# Altium PCB spin5v1_simple.PcbDoc (part 7 of 25)
Units mm, origin at the board's own origin, x right, y up, seen from the top; angles counter-clockwise.
Board outline 220.03 x 233.43 mm, 2 copper layers (TOP, BOTTOM), stack 0.176 mm thick; 1457 components, 4724 nets, 19245 pads, 25289 vias.
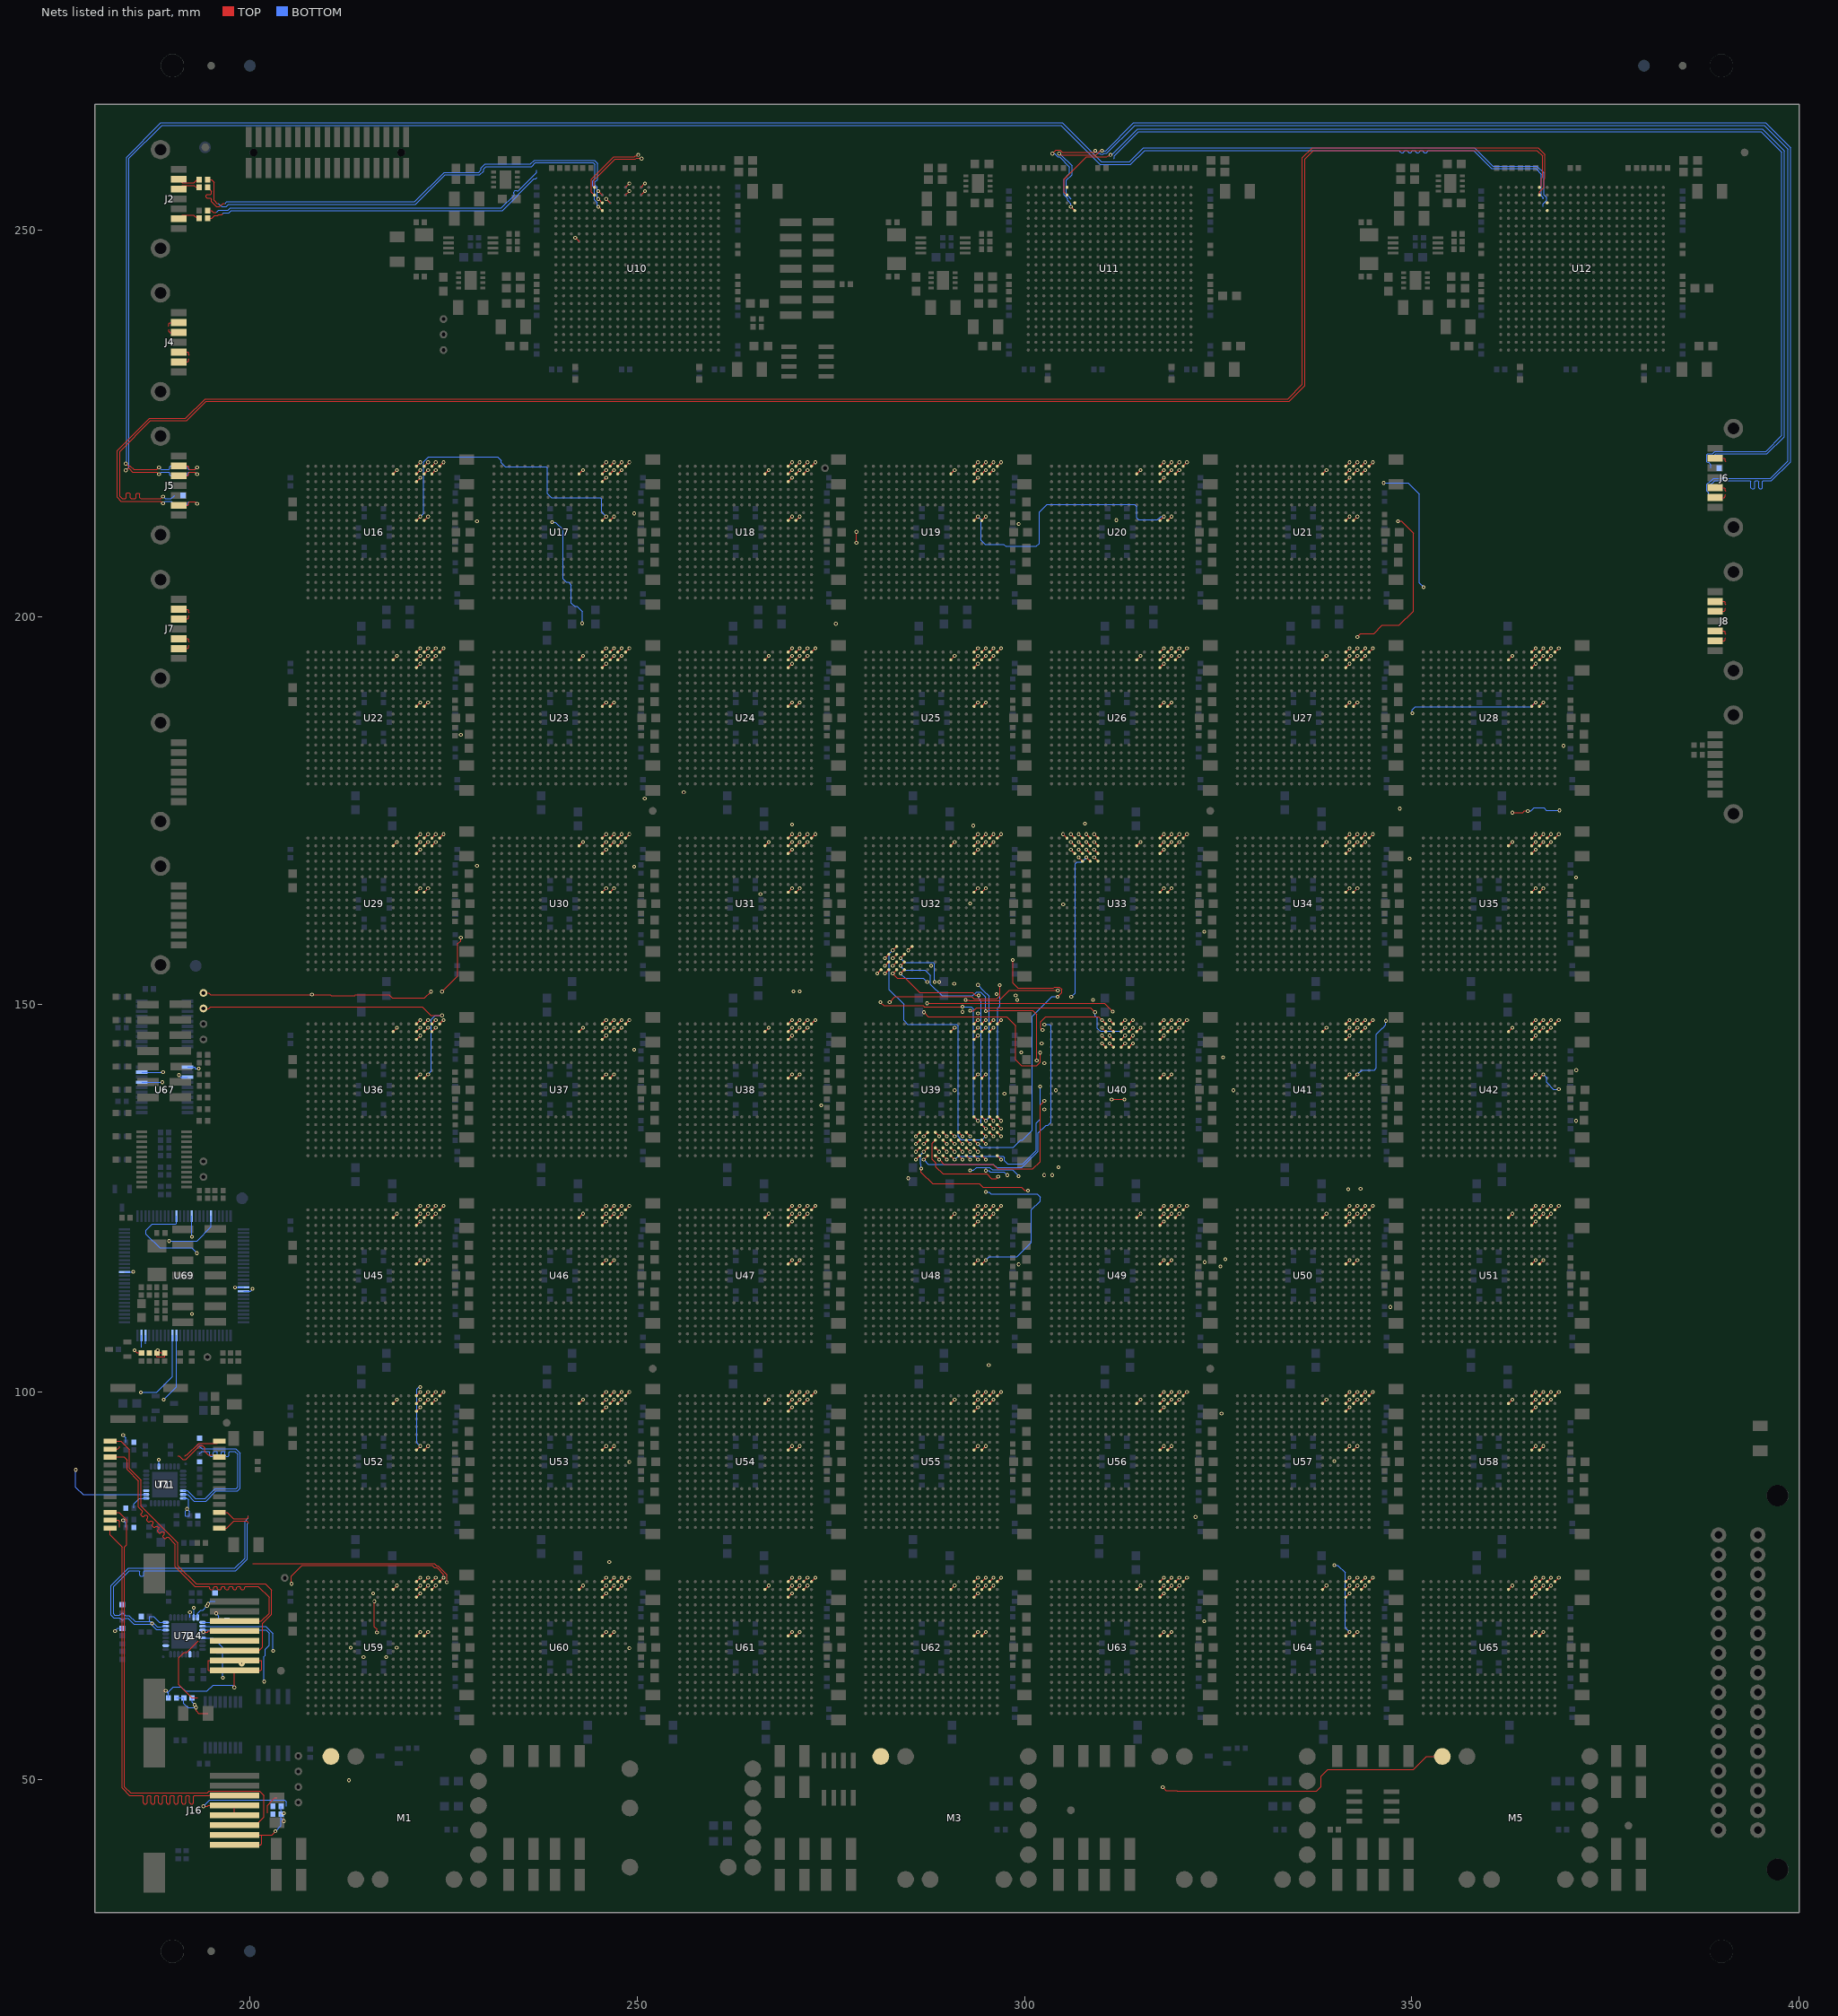
[diagram p7: the nets of this part, all layers, seen from the top]

## Via types
v1: diameter 0.48, hole 0.25, TOP to BOTTOM, 22348 vias
v2: diameter 0.61, hole 0.3, TOP to BOTTOM, 2059 vias
v3: diameter 0.8, hole 0, TOP to BOTTOM, 882 vias

## Nets (pads, with @x,y where several pads share a name; then routed paths per layer and width w, separated by ;. In a path a pad name is that pad's centre, name@x,y a point inside that pad or via, vN(x,y) a via of type N, cw(c..) or ccw(c..) an arc to the next point about the centre after c; other vN are vias at no path point) (continued)
PHYRST: U69.14 U71.19
  other v1: 188.25,91.238 184.917,115.5
PHYRST_49: U63.B12
  other v1: 315,75
PHYRST_50: U62.B12
  other v1: 291,75
PHYRST_51: U61.B12
  other v1: 267,75
PHYRST_52: U60.B12
  other v1: 243,75
PHYRST_53: U28.B12
  other v1: 363,195
PHYRST_54: U21.B12
  other v1: 339,219
PHYRST_55: U19.B12
  other v1: 291,219
PHYRST_56: U18.B12
  other v1: 267,219
PHYRST_57: U17.B12
  other v1: 243,219
PHYRST_58: U25.B12
  other v1: 291,195
PHYRST_59: U20.B12
  other v1: 315,219
PHYRST_60: U27.B12
  other v1: 339,195
PHYRST_61: U35.B12
  other v1: 363,171
PHYRST_62: U42.B12
  other v1: 363,147
PHYRST_63: U34.B12
  other v1: 339,171
PHYRST_64: U26.B12
  other v1: 315,195
PHYRST_65: U24.B12
  other v1: 267,195
PHYRST_66: U23.B12
  other v1: 243,195
PHYRST_67: U16.B12
  other v1: 219,219
PHYRST_68: U51.B12
  other v1: 363,123
PHYRST_69: U41.B12
  other v1: 339,147
PHYRST_70: U33.B12
  other v1: 315,171
PHYRST_71: U32.B12
  other v1: 291,171
PHYRST_72: U31.B12
  other v1: 267,171
PHYRST_73: U30.B12
  other v1: 243,171
PHYRST_74: U22.B12
  other v1: 219,195
PHYRST_75: U58.B12
  other v1: 363,99
PHYRST_76: U50.B12
  other v1: 339,123
PHYRST_77: U40.B12
  other v1: 315,147
PHYRST_78: U39.B12
  other v1: 291,147
PHYRST_79: U38.B12
  other v1: 267,147
PHYRST_80: U37.B12
  other v1: 243,147
PHYRST_81: U36.B12
  other v1: 219,147
PHYRST_82: U29.B12
  other v1: 219,171
PHYRST_83: U65.B12
  other v1: 363,75
PHYRST_84: U57.B12
  other v1: 339,99
PHYRST_85: U49.B12
  other v1: 315,123
PHYRST_86: U48.B12
  other v1: 291,123
PHYRST_87: U47.B12
  other v1: 267,123
PHYRST_88: U46.B12
  other v1: 243,123
PHYRST_89: U45.B12
  other v1: 219,123
PHYRST_90: U64.B12
  other v1: 339,75
PHYRST_91: U56.B12
  other v1: 315,99
PHYRST_92: U55.B12
  other v1: 291,99
PHYRST_93: U54.B12
  other v1: 267,99
PHYRST_94: U53.B12
  other v1: 243,99
PHYRST_95: U52.B12
  other v1: 219,99
PHYRST_96: U59.B12 U72.19
  other v1: 213,66.965 219,75
POR: TP5.1 U16.H15 U17.H15 U18.H15 U19.H15 U20.H15 U21.H15 U22.H15 U23.H15 U24.H15 U25.H15 U26.H15 U27.H15 U28.H15 U29.H15 U30.H15 U31.H15 U32.H15 U33.H15 U34.H15 U35.H15 U36.H15 U37.H15 U38.H15 U39.H15 U40.H15 U41.H15 U42.H15 U45.H15 U46.H15 U47.H15 U48.H15 U49.H15 U50.H15 U51.H15 U52.H15 U53.H15 U54.H15 U55.H15 U56.H15 U57.H15 U58.H15 U59.H15 U60.H15 U61.H15 U62.H15 U63.H15 U64.H15 U65.H15 U67.9 | length 153
  TOP w0.127: TP5.1@194,151.5 194.691,151.5 194.899,151.292 v1(208,151.292) 210.368,151.292 210.495,151.165 213.562,151.165 213.64,151.243 217.951,151.243 218.359,150.835 222.569,150.835 v1(223.4,151.666)
  BOTTOM w0.127: v1(221.999,100.607) 221.809,100.607 221.569,100.367 221.569,93.431 v1(222,93) ; v1(222,213) 222.431,213.431 222.431,220.05 223.066,220.685 231.986,220.685 232.431,220.24 232.431,219.939 232.939,219.431 238.232,219.431 238.431,219.232 238.431,215.939 238.939,215.431 245.232,215.431 245.431,215.232 245.431,213.569 v1(246,213) ; v1(294,213) 294.431,212.569 294.431,209.94 294.939,209.432 297.291,209.432 297.57,209.153 301.515,209.153 301.912,209.55 301.912,213.55 302.928,214.566 314.19,214.566 314.508,214.248 314.508,212.823 314.762,212.569 317.178,212.569 317.609,213 v1(318,213) ; v1(340,77.631) 340.478,77.631 341.431,76.678 341.431,69.569 v1(342,69) ; v1(346.371,217.339) 349.528,217.339 350.989,215.878 350.989,204.448 v1(351.542,203.895) ; v1(350.089,187.6) 350.089,188.034 350.486,188.431 365.431,188.431 v1(366,189)
  other v1: 249,66.931 222,69 246,69 270,69 294,69 318,69 366,69 323.233,70.393 322.1,83.865 249,90.965 340,91.069 246,93 270,93 294,93 318,93 342,93 366,93 325.315,116.2 299.267,116.462 323.267,116.747 222,117 246,117 270,117 294,117 318,117 342,117 366,117 341.8,126.158 371.227,135 222,141 246,141 270,141 294,141 318,141 342,141 366,141 188.782,141.27 325.665,143.2 299.578,143.842 249.607,144.164 299.062,150.589 270.166,151.704 323.227,159.4 265.912,164.258 222,165 246,165 270,165 294,165 318,165 342,165 366,165 249.607,167.8 349.75,168.862 256.02,177.393 222,189 246,189 270,189 294,189 318,189 342,189 270,213 342,213 249.607,213.4
POR_U: U67.11 U69.67
  other v1: 200.317,113.307 193.389,141.727
PS_V33: R25.2 R26.1 U69.99
  other v1: 185.092,105.371
PS_VPWR: R27.1 R28.2 U69.98 | length 2.1
  TOP w0.127: R27.1@188,105.03 188,104.504 189,104.504 R28.2@189,105.03
  other v1: 188.092,105.371
PSYNC<0>: M1.1 U69.36
  other v1: 193.164,117.902
PSYNC<1>: M3.1 U69.40
  other v1: 192.5,110.067 192.5,120.017
PSYNC<2>: M5.1 U69.45 | length 38.9
  TOP w0.127: v1(317.862,48.98) 318.293,48.549 319.641,48.549 319.691,48.499 337.731,48.499 338.296,49.064 338.296,50.364 339.194,51.262 350.244,51.262 351.922,52.94 M5.1@353.965,52.94
  other v1: 212.8,49.867 189.582,119.471
RBIAS: R157.1 U71.32 | length 3.5
  BOTTOM w0.127: U71.32@191.375,86.25 191.933,86.25 192.06,86.123 192.06,84.988 191.694,84.622 191.694,84 192.22,84
  other v1: 191.879,84.908
RBIAS_2: R170.1 U72.32 | length 2.4
  BOTTOM w0.127: 187.03,71 187.582,71 188.332,70.25 U72.32@189.125,70.25
  other v1: 187.371,70.092
RJ451_DECOUP: R35.2 R36.2 | length 2.6
  TOP w0.127: 202.268,45.637 202.268,46.643 203.225,47.6 203.5,47.6
RJ451_SHORT1: J16.7 J16.8 R36.1 | length 4.5
  TOP w0.127: 201.542,42.82 202.851,42.82 v1(203.302,43.271)
  BOTTOM w0.127: v1(203.302,43.271) 204.03,43.999 204.03,45.5
  other v1: 204.371,44.592
RJ451_SHORT2: J16.4 J16.5 R35.1 | length 13
  TOP w0.127: J16.5@198,45.36 J16.4@198,46.63
  BOTTOM w0.127: v1(193.997,46.5) 194.81,47.313 204.489,47.313 204.732,47.07 204.732,46.5
  other v1: 204.371,45.592
RJ452_DECOUP: R184.2 R185.2 | length 5.6
  TOP w0.127: v1(193.046,59.252) 193.046,58.821 193.367,58.5 194.6,58.5
  BOTTOM w0.127: 190.53,60.5 191.47,60.5 191.47,59.781 191.999,59.252 v1(193.046,59.252)
RJ452_SHORT1: J14.7 J14.8 R185.1 | length 20.4
  TOP w0.127: v1(197.99,61.858) 197.99,64.04 J14.8@198,64.05 194.634,64.05 194.634,65.32 J14.7@198,65.32
  BOTTOM w0.127: 189.47,60.5 189.47,61.282 190.106,61.918 191.115,61.918 191.663,61.37 194.459,61.37 195.252,62.163 197.685,62.163 v1(197.99,61.858)
  other v1: 189.129,61.408
  other v3: 198.962,64.93
RJ452_SHORT2: J14.4 J14.5 R184.1 | length 10
  TOP w0.127: 193.232,60.5 192.504,60.5 190.819,62.185 190.819,65.648 191.518,66.347 191.865,66.347 193.378,67.86
  other v1: 192.871,59.592 193.997,69
RMII: R156.2 U71.9 | length 2.4
  BOTTOM w0.127: 185.03,85 185.03,85.551 185.729,86.25 U71.9@186.625,86.25
RST: TP6.1 U16.H16 U17.H16 U18.H16 U19.H16 U20.H16 U21.H16 U22.H16 U23.H16 U24.H16 U25.H16 U26.H16 U27.H16 U28.H16 U29.H16 U30.H16 U31.H16 U32.H16 U33.H16 U34.H16 U35.H16 U36.H16 U37.H16 U38.H16 U39.H16 U40.H16 U41.H16 U42.H16 U45.H16 U46.H16 U47.H16 U48.H16 U49.H16 U50.H16 U51.H16 U52.H16 U53.H16 U54.H16 U55.H16 U56.H16 U57.H16 U58.H16 U59.H16 U60.H16 U61.H16 U62.H16 U63.H16 U64.H16 U65.H16 U67.7 | length 125.7
  TOP w0.127: TP6.1@194,149.5 194.691,149.5 194.914,149.723 222.266,149.723 223.382,148.607 v1(224.801,148.607) ; v1(224.8,151.666) 226.858,153.724 226.858,157.854 227.227,158.223 v1(227.227,158.654) ; v1(278.315,209.6) v1(278.315,211.031) ; v1(343,197.467) 343.431,197.898 345.133,197.898 346.195,198.96 348.37,198.96 350.212,200.802 350.212,210.876 348.688,212.4 v1(348.232,212.4) ; v1(362.996,174.774) 364.35,174.774 364.569,174.993 v1(365,174.993)
  BOTTOM w0.127: v1(223,141) 223.432,141.432 223.432,148.099 223.94,148.607 v1(224.801,148.607) ; v1(239,212.258) 239.479,212.258 240.432,211.305 240.432,204.927 240.829,204.53 241.108,204.53 241.505,204.133 241.505,201.848 241.95,201.403 242.218,201.403 242.917,200.704 v1(242.917,199.212) ; v1(295,117) 295.431,117.431 299.054,117.431 300.896,119.273 300.896,123.519 302.028,124.651 302.028,125.166 301.647,125.547 295.687,125.547 295.431,125.803 v1(295,125.803) ; v1(343,141) 343.562,141.562 345.178,141.562 345.432,141.816 345.432,146.167 346.226,146.961 346.272,146.961 346.669,147.358 v1(346.669,147.9) ; v1(365,174.993) 365.431,174.993 365.826,175.388 367.075,175.388 367.387,175.076 v1(369.1,175.076) ; v1(367,141) 367.431,140.569 367.431,139.958 368.32,139.069 v1(369.001,139.069)
  other v1: 223,69 247,69 271,69 295,69 319,69 343,69 367,69 246.4,78.055 223,93 247,93 271,93 295,93 319,93 343,93 367,93 325.457,97.201 295.4,103.446 347.255,110.958 223,117 247,117 271,117 319,117 343,117 367,117 325.946,117.147 343.4,126.221 273.763,137 327,138.932 188.714,139.97 247,141 271,141 295,141 319,141 371.252,141.532 271,151.704 223,165 247,165 271,165 295,165 319,165 343,165 367,165 371.237,166.423 229.327,167.921 270,173.232 348.465,175.301 250.982,176.593 369.607,183.4 227.237,184.835 223,189 247,189 271,189 295,189 319,189 343,189 367,189 275.656,199.158 299.267,212.038 229.315,212.4 311.869,212.535 223,213 247,213 271,213 295,213 319,213 343,213
RST_U: U67.13 U69.66
  other v1: 198.083,113.5 190.833,140.907
RTCK: U63.B17
  other v1: 320,75
RTCK_48: U62.B17
  other v1: 296,75
RTCK_49: U61.B17
  other v1: 272,75
RTCK_50: U60.B17
  other v1: 248,75
RTCK_51: U28.B17
  other v1: 368,195
RTCK_52: U21.B17
  other v1: 344,219
RTCK_53: U19.B17
  other v1: 296,219
RTCK_54: U18.B17
  other v1: 272,219
RTCK_55: U17.B17
  other v1: 248,219
RTCK_56: U25.B17
  other v1: 296,195
RTCK_57: U20.B17
  other v1: 320,219
RTCK_58: U27.B17
  other v1: 344,195
RTCK_59: U35.B17
  other v1: 368,171
RTCK_60: U42.B17
  other v1: 368,147
RTCK_61: U34.B17
  other v1: 344,171
RTCK_62: U26.B17
  other v1: 320,195
RTCK_63: U24.B17
  other v1: 272,195
RTCK_64: U23.B17
  other v1: 248,195
RTCK_65: U16.B17
  other v1: 224,219
RTCK_66: U51.B17
  other v1: 368,123
RTCK_67: U41.B17
  other v1: 344,147
RTCK_68: U33.B17
  other v1: 320,171
RTCK_69: U32.B17
  other v1: 296,171
RTCK_70: U31.B17
  other v1: 272,171
RTCK_71: U30.B17
  other v1: 248,171
RTCK_72: U22.B17
  other v1: 224,195
RTCK_73: U58.B17
  other v1: 368,99
RTCK_74: U50.B17
  other v1: 344,123
RTCK_75: U40.B17
  other v1: 320,147
RTCK_76: U39.B17
  other v1: 296,147
RTCK_77: U38.B17
  other v1: 272,147
RTCK_78: U37.B17
  other v1: 248,147
RTCK_79: U36.B17
  other v1: 224,147
RTCK_80: U29.B17
  other v1: 224,171
RTCK_81: U65.B17
  other v1: 368,75
RTCK_82: U57.B17
  other v1: 344,99
RTCK_83: U49.B17
  other v1: 320,123
RTCK_84: U48.B17
  other v1: 296,123
RTCK_85: U47.B17
  other v1: 272,123
RTCK_86: U46.B17
  other v1: 248,123
RTCK_87: U45.B17
  other v1: 224,123
RTCK_88: U64.B17
  other v1: 344,75
RTCK_89: U56.B17
  other v1: 320,99
RTCK_90: U55.B17
  other v1: 296,99
RTCK_91: U54.B17
  other v1: 272,99
RTCK_92: U53.B17
  other v1: 248,99
RTCK_93: U52.B17
  other v1: 224,99
RTCK_94: U59.B17
  other v1: 224,75
RX1_MINUS: J16.6 T1.22 | length 62.8
  TOP w0.125: T1.22@181.95,84.45 183.083,84.45 184.084,83.449 184.084,80.259 183.825,80 183.825,48.992 184.592,48.225 194.502,48.225 194.747,48.47 201.253,48.47 201.838,47.885 201.838,45.133 200.795,44.09 J16.6@198,44.09
RX1_PLUS: J16.3 T1.24 | length 62.4
  TOP w0.125: T1.24@181.95,82.41 181.95,81.55 183.5,80 183.5,48.857 184.457,47.9 186.101,47.9 186.226,47.775 186.226,46.944 186.351,46.819 186.601,46.819 186.726,46.944 186.726,47.775 186.851,47.9 187.101,47.9 187.226,47.775 187.226,46.944 187.351,46.819 187.601,46.819 187.726,46.944 187.726,47.775 187.851,47.9 188.101,47.9 188.226,47.775 188.226,46.944 188.351,46.819 188.601,46.819 188.726,46.944 188.726,47.775 188.851,47.9 189.101,47.9 189.226,47.775 189.226,46.944 189.351,46.819 189.601,46.819 189.726,46.944 189.726,47.775 189.851,47.9 190.101,47.9 190.226,47.775 190.226,46.944 190.351,46.819 190.601,46.819 190.726,46.944 190.726,47.775 190.851,47.9 191.101,47.9 191.226,47.775 191.226,46.944 191.351,46.819 191.601,46.819 191.726,46.944 191.726,47.775 191.851,47.9 192.101,47.9 192.226,47.775 192.226,46.944 192.351,46.819 192.601,46.819 192.726,46.944 192.726,47.775 192.851,47.9 194.77,47.9 195.015,48.145 197.755,48.145 J16.3@198,47.9
RX2_MINUS: J14.6 T1.13 | length 73.1
  TOP w0.062: T1.13@181.95,93.63 183.358,93.63 184.446,92.542 184.446,91.536 ; 184.446,90.106 185.927,88.625 ; 185.927,85.245 190.685,80.487 ; 190.685,77.567 193.047,75.205 ; 194.999,75.205 195.099,75.205 ; 195.999,75.205 196.099,75.205 ; 196.999,75.205 197.099,75.205 ; 197.999,75.205 198.099,75.205 ; J14.6@198,66.59 201.152,66.59 201.646,67.084 201.646,70.075 201.646,70.127 202.805,71.286 ; 198.999,75.205 199.099,75.205 ; 201.408,75.205 202.005,75.205 202.805,74.405 202.805,73.808
  TOP w0.125: T1.13@181.95,93.63 183.358,93.63 184.446,92.542 184.446,90.106 185.927,88.625 185.927,85.245 190.685,80.487 190.685,77.567 193.047,75.205 202.005,75.205 202.805,74.405 202.805,71.286 201.646,70.127 201.646,67.084 201.152,66.59 J14.6@198,66.59
RX2_PLUS: J14.3 T1.15 | length 76.3
  TOP w0.062: T1.15@181.95,91.59 183.742,91.59 184.121,91.211 ; 184.121,89.971 185.602,88.49 ; 185.602,85.11 186.111,84.601 186.111,84.425 185.963,84.277 185.963,84.101 186.141,83.923 186.317,83.923 186.465,84.071 186.641,84.071 186.819,83.893 186.819,83.717 186.671,83.569 186.671,83.393 186.849,83.215 187.025,83.215 187.173,83.363 187.349,83.363 187.527,83.185 187.527,83.009 187.379,82.861 187.379,82.685 187.557,82.507 187.733,82.507 187.881,82.655 188.057,82.655 188.235,82.477 188.235,82.301 188.087,82.153 188.087,81.977 188.265,81.799 188.441,81.799 188.589,81.947 188.765,81.947 188.943,81.769 188.943,81.593 188.795,81.445 188.795,81.269 188.973,81.091 189.149,81.091 189.297,81.239 189.473,81.239 190.36,80.352 ; 190.36,77.432 192.912,74.88 ; 194.674,74.88 194.799,74.755 194.799,74.598 194.924,74.473 195.174,74.473 195.299,74.598 195.299,74.755 195.424,74.88 ; 195.674,74.88 195.799,74.755 195.799,74.598 195.924,74.473 196.174,74.473 196.299,74.598 196.299,74.755 196.424,74.88 ; 196.674,74.88 196.799,74.755 196.799,74.598 196.924,74.473 197.174,74.473 197.299,74.598 197.299,74.755 197.424,74.88 ; 197.674,74.88 197.799,74.755 197.799,74.598 197.924,74.473 198.174,74.473 198.299,74.598 198.299,74.755 198.424,74.88 ; J14.3@198,70.4 201.321,70.4 201.459,70.4 202.48,71.421 ; 198.674,74.88 198.799,74.755 198.799,74.598 198.924,74.473 199.174,74.473 199.299,74.598 199.299,74.755 199.424,74.88 ; 201.083,74.88 202.48,73.483
  TOP w0.125: T1.15@181.95,91.59 183.742,91.59 184.121,91.211 184.121,89.971 185.602,88.49 185.602,85.11 186.111,84.601 186.111,84.425 185.963,84.277 185.963,84.101 186.141,83.923 186.317,83.923 186.465,84.071 186.641,84.071 186.819,83.893 186.819,83.717 186.671,83.569 186.671,83.393 186.849,83.215 187.025,83.215 187.173,83.363 187.349,83.363 187.527,83.185 187.527,83.009 187.379,82.861 187.379,82.685 187.557,82.507 187.733,82.507 187.881,82.655 188.057,82.655 188.235,82.477 188.235,82.301 188.087,82.153 188.087,81.977 188.265,81.799 188.441,81.799 188.589,81.947 188.765,81.947 188.943,81.769 188.943,81.593 188.795,81.445 188.795,81.269 188.973,81.091 189.149,81.091 189.297,81.239 189.473,81.239 190.36,80.352 190.36,77.432 192.912,74.88 194.674,74.88 194.799,74.755 194.799,74.598 194.924,74.473 195.174,74.473 195.299,74.598 195.299,74.755 195.424,74.88 195.674,74.88 195.799,74.755 195.799,74.598 195.924,74.473 196.174,74.473 196.299,74.598 196.299,74.755 196.424,74.88 196.674,74.88 196.799,74.755 196.799,74.598 196.924,74.473 197.174,74.473 197.299,74.598 197.299,74.755 197.424,74.88 197.674,74.88 197.799,74.755 197.799,74.598 197.924,74.473 198.174,74.473 198.299,74.598 198.299,74.755 198.424,74.88 198.674,74.88 198.799,74.755 198.799,74.598 198.924,74.473 199.174,74.473 199.299,74.598 199.299,74.755 199.424,74.88 201.083,74.88 202.48,73.483 202.48,71.421 201.459,70.4 J14.3@198,70.4
RXCLK: U63.A18
  other v1: 321,76
RXCLK_48: U62.A18
  other v1: 297,76
RXCLK_49: U61.A18
  other v1: 273,76
RXCLK_50: U60.A18
  other v1: 249,76
RXCLK_51: U28.A18
  other v1: 369,196
RXCLK_52: U21.A18
  other v1: 345,220
RXCLK_53: U19.A18
  other v1: 297,220
RXCLK_54: U18.A18
  other v1: 273,220
RXCLK_55: U17.A18
  other v1: 249,220
RXCLK_56: U25.A18
  other v1: 297,196
RXCLK_57: U20.A18
  other v1: 321,220
RXCLK_58: U27.A18
  other v1: 345,196
RXCLK_59: U35.A18
  other v1: 369,172
RXCLK_60: U42.A18
  other v1: 369,148
RXCLK_61: U34.A18
  other v1: 345,172
RXCLK_62: U26.A18
  other v1: 321,196
RXCLK_63: U24.A18
  other v1: 273,196
RXCLK_64: U23.A18
  other v1: 249,196
RXCLK_65: U16.A18
  other v1: 225,220
RXCLK_66: U51.A18
  other v1: 369,124
RXCLK_67: U41.A18
  other v1: 345,148
RXCLK_68: U33.A18
  other v1: 321,172
RXCLK_69: U32.A18
  other v1: 297,172
RXCLK_70: U31.A18
  other v1: 273,172
RXCLK_71: U30.A18
  other v1: 249,172
RXCLK_72: U22.A18
  other v1: 225,196
RXCLK_73: U58.A18
  other v1: 369,100
RXCLK_74: U50.A18
  other v1: 345,124
RXCLK_75: U40.A18
  other v1: 321,148
RXCLK_76: U39.A18
  other v1: 297,148
RXCLK_77: U38.A18
  other v1: 273,148
RXCLK_78: U37.A18
  other v1: 249,148
RXCLK_79: U36.A18
  other v1: 225,148
RXCLK_80: U29.A18
  other v1: 225,172
RXCLK_81: U65.A18
  other v1: 369,76
RXCLK_82: U57.A18
  other v1: 345,100
RXCLK_83: U49.A18
  other v1: 321,124
RXCLK_84: U48.A18
  other v1: 297,124
RXCLK_85: U47.A18
  other v1: 273,124
RXCLK_86: U46.A18
  other v1: 249,124
RXCLK_87: U45.A18
  other v1: 225,124
RXCLK_88: U64.A18
  other v1: 345,76
RXCLK_89: U56.A18
  other v1: 321,100
RXCLK_90: U55.A18
  other v1: 297,100
RXCLK_91: U54.A18
  other v1: 273,100
RXCLK_92: U53.A18
  other v1: 249,100
RXCLK_93: U52.A18
  other v1: 225,100
RXCLK_94: U59.A18 U72.7 | length 22.1
  TOP w0.127: v1(205.362,75.235) 205.362,76.192 206.759,77.589 223.536,77.589 223.833,77.292 224.174,77.292 225,76.466 v1(225,76)
  other v1: 192.25,71.546
RXCT1: R159.1 T1.23
  other v1: 183.629,83.408
RXCT2: R141.1 T1.14
  other v1: 183.629,94.408
RXD0: U69.91 U71.11
  other v1: 185.917,99.941
RXD1: U69.90 U71.10
  other v1: 177.503,89.935 188.849,98.991
RXD<0>: U63.A17
  other v1: 320,76
RXD<0>_48: U62.A17
  other v1: 296,76
RXD<0>_49: U61.A17
  other v1: 272,76
RXD<0>_50: U60.A17
  other v1: 248,76
RXD<0>_51: U28.A17
  other v1: 368,196
RXD<0>_52: U21.A17
  other v1: 344,220
RXD<0>_53: U19.A17
  other v1: 296,220
RXD<0>_54: U18.A17
  other v1: 272,220
RXD<0>_55: U17.A17
  other v1: 248,220
RXD<0>_56: U25.A17
  other v1: 296,196
RXD<0>_57: U20.A17
  other v1: 320,220
RXD<0>_58: U27.A17
  other v1: 344,196
RXD<0>_59: U35.A17
  other v1: 368,172
RXD<0>_60: U42.A17
  other v1: 368,148
RXD<0>_61: U34.A17
  other v1: 344,172
RXD<0>_62: U26.A17
  other v1: 320,196
RXD<0>_63: U24.A17
  other v1: 272,196
RXD<0>_64: U23.A17
  other v1: 248,196
RXD<0>_65: U16.A17
  other v1: 224,220
RXD<0>_66: U51.A17
  other v1: 368,124
RXD<0>_67: U41.A17
  other v1: 344,148
RXD<0>_68: U33.A17
  other v1: 320,172
RXD<0>_69: U32.A17
  other v1: 296,172
RXD<0>_70: U31.A17
  other v1: 272,172
RXD<0>_71: U30.A17
  other v1: 248,172
RXD<0>_72: U22.A17
  other v1: 224,196
RXD<0>_73: U58.A17
  other v1: 368,100
RXD<0>_74: U50.A17
  other v1: 344,124
RXD<0>_75: U40.A17
  other v1: 320,148
RXD<0>_76: U39.A17
  other v1: 296,148
RXD<0>_77: U38.A17
  other v1: 272,148
RXD<0>_78: U37.A17
  other v1: 248,148
RXD<0>_79: U36.A17
  other v1: 224,148
RXD<0>_80: U29.A17
  other v1: 224,172
RXD<0>_81: U65.A17
  other v1: 368,76
RXD<0>_82: U57.A17
  other v1: 344,100
RXD<0>_83: U49.A17
  other v1: 320,124
RXD<0>_84: U48.A17
  other v1: 296,124
RXD<0>_85: U47.A17
  other v1: 272,124
RXD<0>_86: U46.A17
  other v1: 248,124
RXD<0>_87: U45.A17
  other v1: 224,124
RXD<0>_88: U64.A17
  other v1: 344,76
RXD<0>_89: U56.A17
  other v1: 320,100
RXD<0>_90: U55.A17
  other v1: 296,100
RXD<0>_91: U54.A17
  other v1: 272,100
RXD<0>_92: U53.A17
  other v1: 248,100
RXD<0>_93: U52.A17
  other v1: 224,100
RXD<0>_94: U59.A17 U72.11 | length 15.3
  BOTTOM w0.127: U72.11@193.875,69.25 202.126,69.25 202.507,68.869 202.507,67.289 201.973,66.755 201.973,65.982 201.823,65.832 v1(201.823,62.6)
  other v1: 217.606,65.742 224,76
RXD<1>: U63.A16
  other v1: 319,76
RXD<1>_48: U62.A16
  other v1: 295,76

## Text inside footprints (layer, text, board x,y; h text height)
U29: PIN_NUMBER "J17" at 223.166,163.5 h0.24; PIN_NUMBER "J18" at 224.166,163.5 h0.24; PIN_NUMBER "M18" at 224.166,160.5 h0.24; PIN_NUMBER "M17" at 223.166,160.5 h0.24; PIN_NUMBER "B18" at 224.166,170.5 h0.24; PIN_NUMBER "G16" at 222.166,165.5 h0.24; PIN_NUMBER "J16" at 222.166,163.5 h0.24; PIN_NUMBER "C17" at 223.166,169.5 h0.24; PIN_NUMBER "C18" at 224.166,169.5 h0.24; PIN_NUMBER "V8" at 213.854,154.5 h0.24; PIN_NUMBER "R9" at 214.854,157.5 h0.24; PIN_NUMBER "T11" at 217.166,156.5 h0.24; PIN_NUMBER "U11" at 217.166,155.5 h0.24; PIN_NUMBER "V11" at 217.166,154.5 h0.24; PIN_NUMBER "R10" at 215.936,157.5 h0.24; PIN_NUMBER "T10" at 215.936,156.5 h0.24; PIN_NUMBER "U10" at 215.936,155.5 h0.24; PIN_NUMBER "V10" at 215.936,154.5 h0.24; PIN_NUMBER "T9" at 214.854,156.5 h0.24; PIN_NUMBER "U9" at 214.854,155.5 h0.24; PIN_NUMBER "V9" at 214.854,154.5 h0.24; PIN_NUMBER "R8" at 213.854,157.5 h0.24; PIN_NUMBER "T8" at 213.854,156.5 h0.24; PIN_NUMBER "U8" at 213.854,155.5 h0.24; PIN_NUMBER "R11" at 217.166,157.5 h0.24; PIN_NUMBER "D16" at 222.166,168.5 h0.24; PIN_NUMBER "K15" at 221.166,162.5 h0.24; PIN_NUMBER "K16" at 222.166,162.5 h0.24; PIN_NUMBER "E18" at 224.166,167.5 h0.24; PIN_NUMBER "F16" at 222.166,166.5 h0.24; PIN_NUMBER "M16" at 222.166,160.5 h0.24; PIN_NUMBER "C16" at 222.166,169.5 h0.24; PIN_NUMBER "G17" at 223.166,165.5 h0.24; PIN_NUMBER "P14" at 220.166,158.5 h0.24; PIN_NUMBER "N13" at 219.166,159.5 h0.24; PIN_NUMBER "N14" at 220.166,159.5 h0.24; PIN_NUMBER "M12" at 218.166,160.5 h0.24; PIN_NUMBER "M13" at 219.166,160.5 h0.24; PIN_NUMBER "M14" at 220.166,160.5 h0.24; PIN_NUMBER "H12" at 218.166,164.5 h0.24; PIN_NUMBER "H13" at 219.166,164.5 h0.24; PIN_NUMBER "H14" at 220.166,164.5 h0.24; PIN_NUMBER "E7" at 212.854,167.5 h0.24; PIN_NUMBER "F7" at 212.854,166.5 h0.24; PIN_NUMBER "E8" at 213.854,167.5 h0.24; PIN_NUMBER "F8" at 213.854,166.5 h0.24; PIN_NUMBER "L5" at 210.854,161.5 h0.24; PIN_NUMBER "L7" at 212.854,161.5 h0.24; PIN_NUMBER "G7" at 212.854,165.5 h0.24; PIN_NUMBER "G5" at 210.854,165.5 h0.24; PIN_NUMBER "F5" at 210.854,166.5 h0.24; PIN_NUMBER "E5" at 210.854,167.5 h0.24; PIN_NUMBER "P11" at 217.166,158.5 h0.24; PIN_NUMBER "N11" at 217.166,159.5 h0.24; PIN_NUMBER "P12" at 218.166,158.5 h0.24; PIN_NUMBER "N12" at 218.166,159.5 h0.24; PIN_NUMBER "P13" at 219.166,158.5 h0.24; PIN_NUMBER "E6" at 211.854,167.5 h0.24; PIN_NUMBER "L6" at 211.854,161.5 h0.24; PIN_NUMBER "G6" at 211.854,165.5 h0.24; PIN_NUMBER "F6" at 211.854,166.5 h0.24; PIN_NUMBER "K12" at 218.166,162.5 h0.24; PIN_NUMBER "K13" at 219.166,162.5 h0.24; PIN_NUMBER "K14" at 220.166,162.5 h0.24; PIN_NUMBER "E10" at 215.936,167.5 h0.24; PIN_NUMBER "F10" at 215.936,166.5 h0.24; PIN_NUMBER "J5" at 210.854,163.5 h0.24; PIN_NUMBER "J7" at 212.854,163.5 h0.24; PIN_NUMBER "N9" at 214.854,159.5 h0.24; PIN_NUMBER "P9" at 214.854,158.5 h0.24; PIN_NUMBER "J6" at 211.854,163.5 h0.24; PIN_NUMBER "C13" at 219.166,169.5 h0.24; PIN_NUMBER "B13" at 219.166,170.5 h0.24; PIN_NUMBER "A13" at 219.166,171.5 h0.24; PIN_NUMBER "D14" at 220.166,168.5 h0.24; PIN_NUMBER "C14" at 220.166,169.5 h0.24; PIN_NUMBER "B14" at 220.166,170.5 h0.24; PIN_NUMBER "A14" at 220.166,171.5 h0.24; PIN_NUMBER "K17" at 223.166,162.5 h0.24; PIN_NUMBER "K18" at 224.166,162.5 h0.24; PIN_NUMBER "L15" at 221.166,161.5 h0.24; PIN_NUMBER "L16" at 222.166,161.5 h0.24; PIN_NUMBER "A3" at 208.854,171.5 h0.24; PIN_NUMBER "D5" at 210.854,168.5 h0.24; PIN_NUMBER "C7" at 212.854,169.5 h0.24; PIN_NUMBER "B7" at 212.854,170.5 h0.24; PIN_NUMBER "A7" at 212.854,171.5 h0.24; PIN_NUMBER "D6" at 211.854,168.5 h0.24; PIN_NUMBER "C6" at 211.854,169.5 h0.24; PIN_NUMBER "B6" at 211.854,170.5 h0.24; PIN_NUMBER "A6" at 211.854,171.5 h0.24; PIN_NUMBER "C5" at 210.854,169.5 h0.24; PIN_NUMBER "B5" at 210.854,170.5 h0.24; PIN_NUMBER "A5" at 210.854,171.5 h0.24; PIN_NUMBER "C4" at 209.854,169.5 h0.24; PIN_NUMBER "B4" at 209.854,170.5 h0.24; PIN_NUMBER "A4" at 209.854,171.5 h0.24; PIN_NUMBER "D7" at 212.854,168.5 h0.24; PIN_NUMBER "A8" at 213.854,171.5 h0.24; PIN_NUMBER "D9" at 214.854,168.5 h0.24; PIN_NUMBER "C11" at 217.166,169.5 h0.24; PIN_NUMBER "B11" at 217.166,170.5 h0.24; PIN_NUMBER "A11" at 217.166,171.5 h0.24; PIN_NUMBER "D10" at 215.936,168.5 h0.24; PIN_NUMBER "C10" at 215.936,169.5 h0.24; PIN_NUMBER "B10" at 215.936,170.5 h0.24; PIN_NUMBER "A10" at 215.936,171.5 h0.24; PIN_NUMBER "C9" at 214.854,169.5 h0.24; PIN_NUMBER "B9" at 214.854,170.5 h0.24; PIN_NUMBER "A9" at 214.854,171.5 h0.24; PIN_NUMBER "D8" at 213.854,168.5 h0.24; PIN_NUMBER "C8" at 213.854,169.5 h0.24; PIN_NUMBER "B8" at 213.854,170.5 h0.24; PIN_NUMBER "D11" at 217.166,168.5 h0.24; PIN_NUMBER "R17" at 223.166,157.5 h0.24; PIN_NUMBER "V18" at 224.166,154.5 h0.24; PIN_NUMBER "P18" at 224.166,158.5 h0.24; PIN_NUMBER "P17" at 223.166,158.5 h0.24; PIN_NUMBER "P16" at 222.166,158.5 h0.24; PIN_NUMBER "N18" at 224.166,159.5 h0.24; PIN_NUMBER "N17" at 223.166,159.5 h0.24; PIN_NUMBER "N16" at 222.166,159.5 h0.24; PIN_NUMBER "N15" at 221.166,159.5 h0.24; PIN_NUMBER "U18" at 224.166,155.5 h0.24; PIN_NUMBER "U17" at 223.166,155.5 h0.24; PIN_NUMBER "T18" at 224.166,156.5 h0.24; PIN_NUMBER "T17" at 223.166,156.5 h0.24; PIN_NUMBER "T16" at 222.166,156.5 h0.24; PIN_NUMBER "R18" at 224.166,157.5 h0.24; PIN_NUMBER "R16" at 222.166,157.5 h0.24; PIN_NUMBER "V12" at 218.166,154.5 h0.24; PIN_NUMBER "R13" at 219.166,157.5 h0.24; PIN_NUMBER "T15" at 221.166,156.5 h0.24; PIN_NUMBER "U15" at 221.166,155.5 h0.24; PIN_NUMBER "V15" at 221.166,154.5 h0.24; PIN_NUMBER "R14" at 220.166,157.5 h0.24; PIN_NUMBER "T14" at 220.166,156.5 h0.24; PIN_NUMBER "U14" at 220.166,155.5 h0.24; PIN_NUMBER "V14" at 220.166,154.5 h0.24; PIN_NUMBER "T13" at 219.166,156.5 h0.24; PIN_NUMBER "U13" at 219.166,155.5 h0.24; PIN_NUMBER "V13" at 219.166,154.5 h0.24; PIN_NUMBER "R12" at 218.166,157.5 h0.24; PIN_NUMBER "T12" at 218.166,156.5 h0.24; PIN_NUMBER "U12" at 218.166,155.5 h0.24; PIN_NUMBER "V16" at 222.166,154.5 h0.24; PIN_NUMBER "V6" at 211.854,154.5 h0.24; PIN_NUMBER "R7" at 212.854,157.5 h0.24; PIN_NUMBER "T5" at 210.854,156.5 h0.24; PIN_NUMBER "U5" at 210.854,155.5 h0.24; PIN_NUMBER "V5" at 210.854,154.5 h0.24; PIN_NUMBER "T4" at 209.854,156.5 h0.24; PIN_NUMBER "U4" at 209.854,155.5 h0.24; PIN_NUMBER "V4" at 209.854,154.5 h0.24; PIN_NUMBER "V3" at 208.854,154.5 h0.24; PIN_NUMBER "T7" at 212.854,156.5 h0.24; PIN_NUMBER "U7" at 212.854,155.5 h0.24; PIN_NUMBER "V7" at 212.854,154.5 h0.24; PIN_NUMBER "R6" at 211.854,157.5 h0.24; PIN_NUMBER "T6" at 211.854,156.5 h0.24; PIN_NUMBER "U6" at 211.854,155.5 h0.24; PIN_NUMBER "R5" at 210.854,157.5 h0.24; PIN_NUMBER "C15" at 221.166,169.5 h0.24; PIN_NUMBER "B15" at 221.166,170.5 h0.24; PIN_NUMBER "A15" at 221.166,171.5 h0.24; PIN_NUMBER "B16" at 222.166,170.5 h0.24; PIN_NUMBER "A16" at 222.166,171.5 h0.24; PIN_NUMBER "A17" at 223.166,171.5 h0.24; PIN_NUMBER "A18" at 224.166,171.5 h0.24; PIN_NUMBER "B17" at 223.166,170.5 h0.24; PIN_NUMBER "H16" at 222.166,164.5 h0.24; PIN_NUMBER "H15" at 221.166,164.5 h0.24; PIN_NUMBER "B12" at 218.166,170.5 h0.24; PIN_NUMBER "C12" at 218.166,169.5 h0.24; PIN_NUMBER "A12" at 218.166,171.5 h0.24; PIN_NUMBER "D13" at 219.166,168.5 h0.24; PIN_NUMBER "F17" at 223.166,166.5 h0.24; PIN_NUMBER "F18" at 224.166,166.5 h0.24; PIN_NUMBER "D17" at 223.166,168.5 h0.24; PIN_NUMBER "D18" at 224.166,168.5 h0.24; PIN_NUMBER "E16" at 222.166,167.5 h0.24; PIN_NUMBER "E17" at 223.166,167.5 h0.24; PIN_NUMBER "L12" at 218.166,161.5 h0.24; PIN_NUMBER "L13" at 219.166,161.5 h0.24; PIN_NUMBER "L14" at 220.166,161.5 h0.24; PIN_NUMBER "L17" at 223.166,161.5 h0.24; PIN_NUMBER "L18" at 224.166,161.5 h0.24; PIN_NUMBER "J12" at 218.166,163.5 h0.24; PIN_NUMBER "J13" at 219.166,163.5 h0.24; PIN_NUMBER "J14" at 220.166,163.5 h0.24; PIN_NUMBER "H17" at 223.166,164.5 h0.24; PIN_NUMBER "H18" at 224.166,164.5 h0.24; PIN_NUMBER "G12" at 218.166,165.5 h0.24; PIN_NUMBER "G13" at 219.166,165.5 h0.24; PIN_NUMBER "G14" at 220.166,165.5 h0.24; PIN_NUMBER "F13" at 219.166,166.5 h0.24; PIN_NUMBER "F14" at 220.166,166.5 h0.24; PIN_NUMBER "E14" at 220.166,167.5 h0.24; PIN_NUMBER "E9" at 214.854,167.5 h0.24; PIN_NUMBER "F9" at 214.854,166.5 h0.24; PIN_NUMBER "F11" at 217.166,166.5 h0.24; PIN_NUMBER "E11" at 217.166,167.5 h0.24; PIN_NUMBER "F12" at 218.166,166.5 h0.24; PIN_NUMBER "E12" at 218.166,167.5 h0.24; PIN_NUMBER "E13" at 219.166,167.5 h0.24; PIN_NUMBER "P5" at 210.854,158.5 h0.24; PIN_NUMBER "N5" at 210.854,159.5 h0.24; PIN_NUMBER "M5" at 210.854,160.5 h0.24; PIN_NUMBER "M7" at 212.854,160.5 h0.24; PIN_NUMBER "K5" at 210.854,162.5 h0.24; PIN_NUMBER "K7" at 212.854,162.5 h0.24; PIN_NUMBER "H5" at 210.854,164.5 h0.24; PIN_NUMBER "H7" at 212.854,164.5 h0.24; PIN_NUMBER "N7" at 212.854,159.5 h0.24; PIN_NUMBER "P7" at 212.854,158.5 h0.24; PIN_NUMBER "N8" at 213.854,159.5 h0.24; PIN_NUMBER "P8" at 213.854,158.5 h0.24; PIN_NUMBER "P10" at 215.936,158.5 h0.24; PIN_NUMBER "N10" at 215.936,159.5 h0.24; PIN_NUMBER "N6" at 211.854,159.5 h0.24; PIN_NUMBER "M6" at 211.854,160.5 h0.24; PIN_NUMBER "K6" at 211.854,162.5 h0.24; PIN_NUMBER "H6" at 211.854,164.5 h0.24; PIN_NUMBER "P6" at 211.854,158.5 h0.24; PIN_NUMBER "D12" at 218.166,168.5 h0.24; PIN_NUMBER "G15" at 221.166,165.5 h0.24; PIN_NUMBER "M15" at 221.166,160.5 h0.24; PIN_NUMBER "G18" at 224.166,165.5 h0.24; PIN_NUMBER "R15" at 221.166,157.5 h0.24; PIN_NUMBER "P15" at 221.166,158.5 h0.24; PIN_NUMBER "J15" at 221.166,163.5 h0.24; PIN_NUMBER "F15" at 221.166,166.5 h0.24; PIN_NUMBER "E15" at 221.166,167.5 h0.24; PIN_NUMBER "D15" at 221.166,168.5 h0.24; PIN_NUMBER "V17" at 223.166,154.5 h0.24; PIN_NUMBER "U16" at 222.166,155.5 h0.24; PIN_NUMBER "M3" at 208.854,160.5 h0.24; PIN_NUMBER "M1" at 206.624,160.5 h0.24; PIN_NUMBER "R4" at 209.854,157.5 h0.24; PIN_NUMBER "N2" at 207.854,159.5 h0.24; PIN_NUMBER "F3" at 208.854,166.5 h0.24; PIN_NUMBER "D1" at 206.624,168.5 h0.24; PIN_NUMBER "D4" at 209.854,168.5 h0.24; PIN_NUMBER "D3" at 208.854,168.5 h0.24; PIN_NUMBER "C3" at 208.854,169.5 h0.24; PIN_NUMBER "C2" at 207.854,169.5 h0.24; PIN_NUMBER "C1" at 206.624,169.5 h0.24; PIN_NUMBER "B3" at 208.854,170.5 h0.24; PIN_NUMBER "B2" at 207.854,170.5 h0.24; PIN_NUMBER "V2" at 207.854,154.5 h0.24; PIN_NUMBER "V1" at 206.624,154.5 h0.24; PIN_NUMBER "B1" at 206.624,170.5 h0.24; PIN_NUMBER "U3" at 208.854,155.5 h0.24; PIN_NUMBER "U2" at 207.854,155.5 h0.24; PIN_NUMBER "U1" at 206.624,155.5 h0.24; PIN_NUMBER "T3" at 208.854,156.5 h0.24; PIN_NUMBER "T2" at 207.854,156.5 h0.24; PIN_NUMBER "T1" at 206.624,156.5 h0.24; PIN_NUMBER "R2" at 207.854,157.5 h0.24; PIN_NUMBER "R1" at 206.624,157.5 h0.24; PIN_NUMBER "P4" at 209.854,158.5 h0.24; PIN_NUMBER "P3" at 208.854,158.5 h0.24; PIN_NUMBER "A2" at 207.854,171.5 h0.24; PIN_NUMBER "P2" at 207.854,158.5 h0.24; PIN_NUMBER "P1" at 206.624,158.5 h0.24; PIN_NUMBER "N4" at 209.854,159.5 h0.24; PIN_NUMBER "N3" at 208.854,159.5 h0.24; PIN_NUMBER "F2" at 207.854,166.5 h0.24; PIN_NUMBER "F1" at 206.624,166.5 h0.24; PIN_NUMBER "E4" at 209.854,167.5 h0.24; PIN_NUMBER "E3" at 208.854,167.5 h0.24; PIN_NUMBER "E2" at 207.854,167.5 h0.24; PIN_NUMBER "E1" at 206.624,167.5 h0.24; PIN_NUMBER "A1" at 206.624,171.5 h0.24; PIN_NUMBER "R3" at 208.854,157.5 h0.24; PIN_NUMBER "N1" at 206.624,159.5 h0.24; PIN_NUMBER "F4" at 209.854,166.5 h0.24; PIN_NUMBER "D2" at 207.854,168.5 h0.24; PIN_NUMBER "J4" at 209.854,163.5 h0.24; PIN_NUMBER "J3" at 208.854,163.5 h0.24; PIN_NUMBER "M4" at 209.854,160.5 h0.24; PIN_NUMBER "J1" at 206.624,163.5 h0.24; PIN_NUMBER "J2" at 207.854,163.5 h0.24; PIN_NUMBER "M2" at 207.854,160.5 h0.24; PIN_NUMBER "G1" at 206.624,165.5 h0.24; PIN_NUMBER "G2" at 207.854,165.5 h0.24; PIN_NUMBER "K4" at 209.854,162.5 h0.24; PIN_NUMBER "H2" at 207.854,164.5 h0.24; PIN_NUMBER "L1" at 206.624,161.5 h0.24; PIN_NUMBER "H1" at 206.624,164.5 h0.24; PIN_NUMBER "L2" at 207.854,161.5 h0.24; PIN_NUMBER "G4" at 209.854,165.5 h0.24; PIN_NUMBER "L3" at 208.854,161.5 h0.24; PIN_NUMBER "G3" at 208.854,165.5 h0.24; PIN_NUMBER "L4" at 209.854,161.5 h0.24; PIN_NUMBER "K1" at 206.624,162.5 h0.24; PIN_NUMBER "H4" at 209.854,164.5 h0.24; PIN_NUMBER "K3" at 208.854,162.5 h0.24; PIN_NUMBER "H3" at 208.854,164.5 h0.24; PIN_NUMBER "K2" at 207.854,162.5 h0.24